# Altium PCB DIO-BNC.PCBDOC (part 1 of 3) (continued)
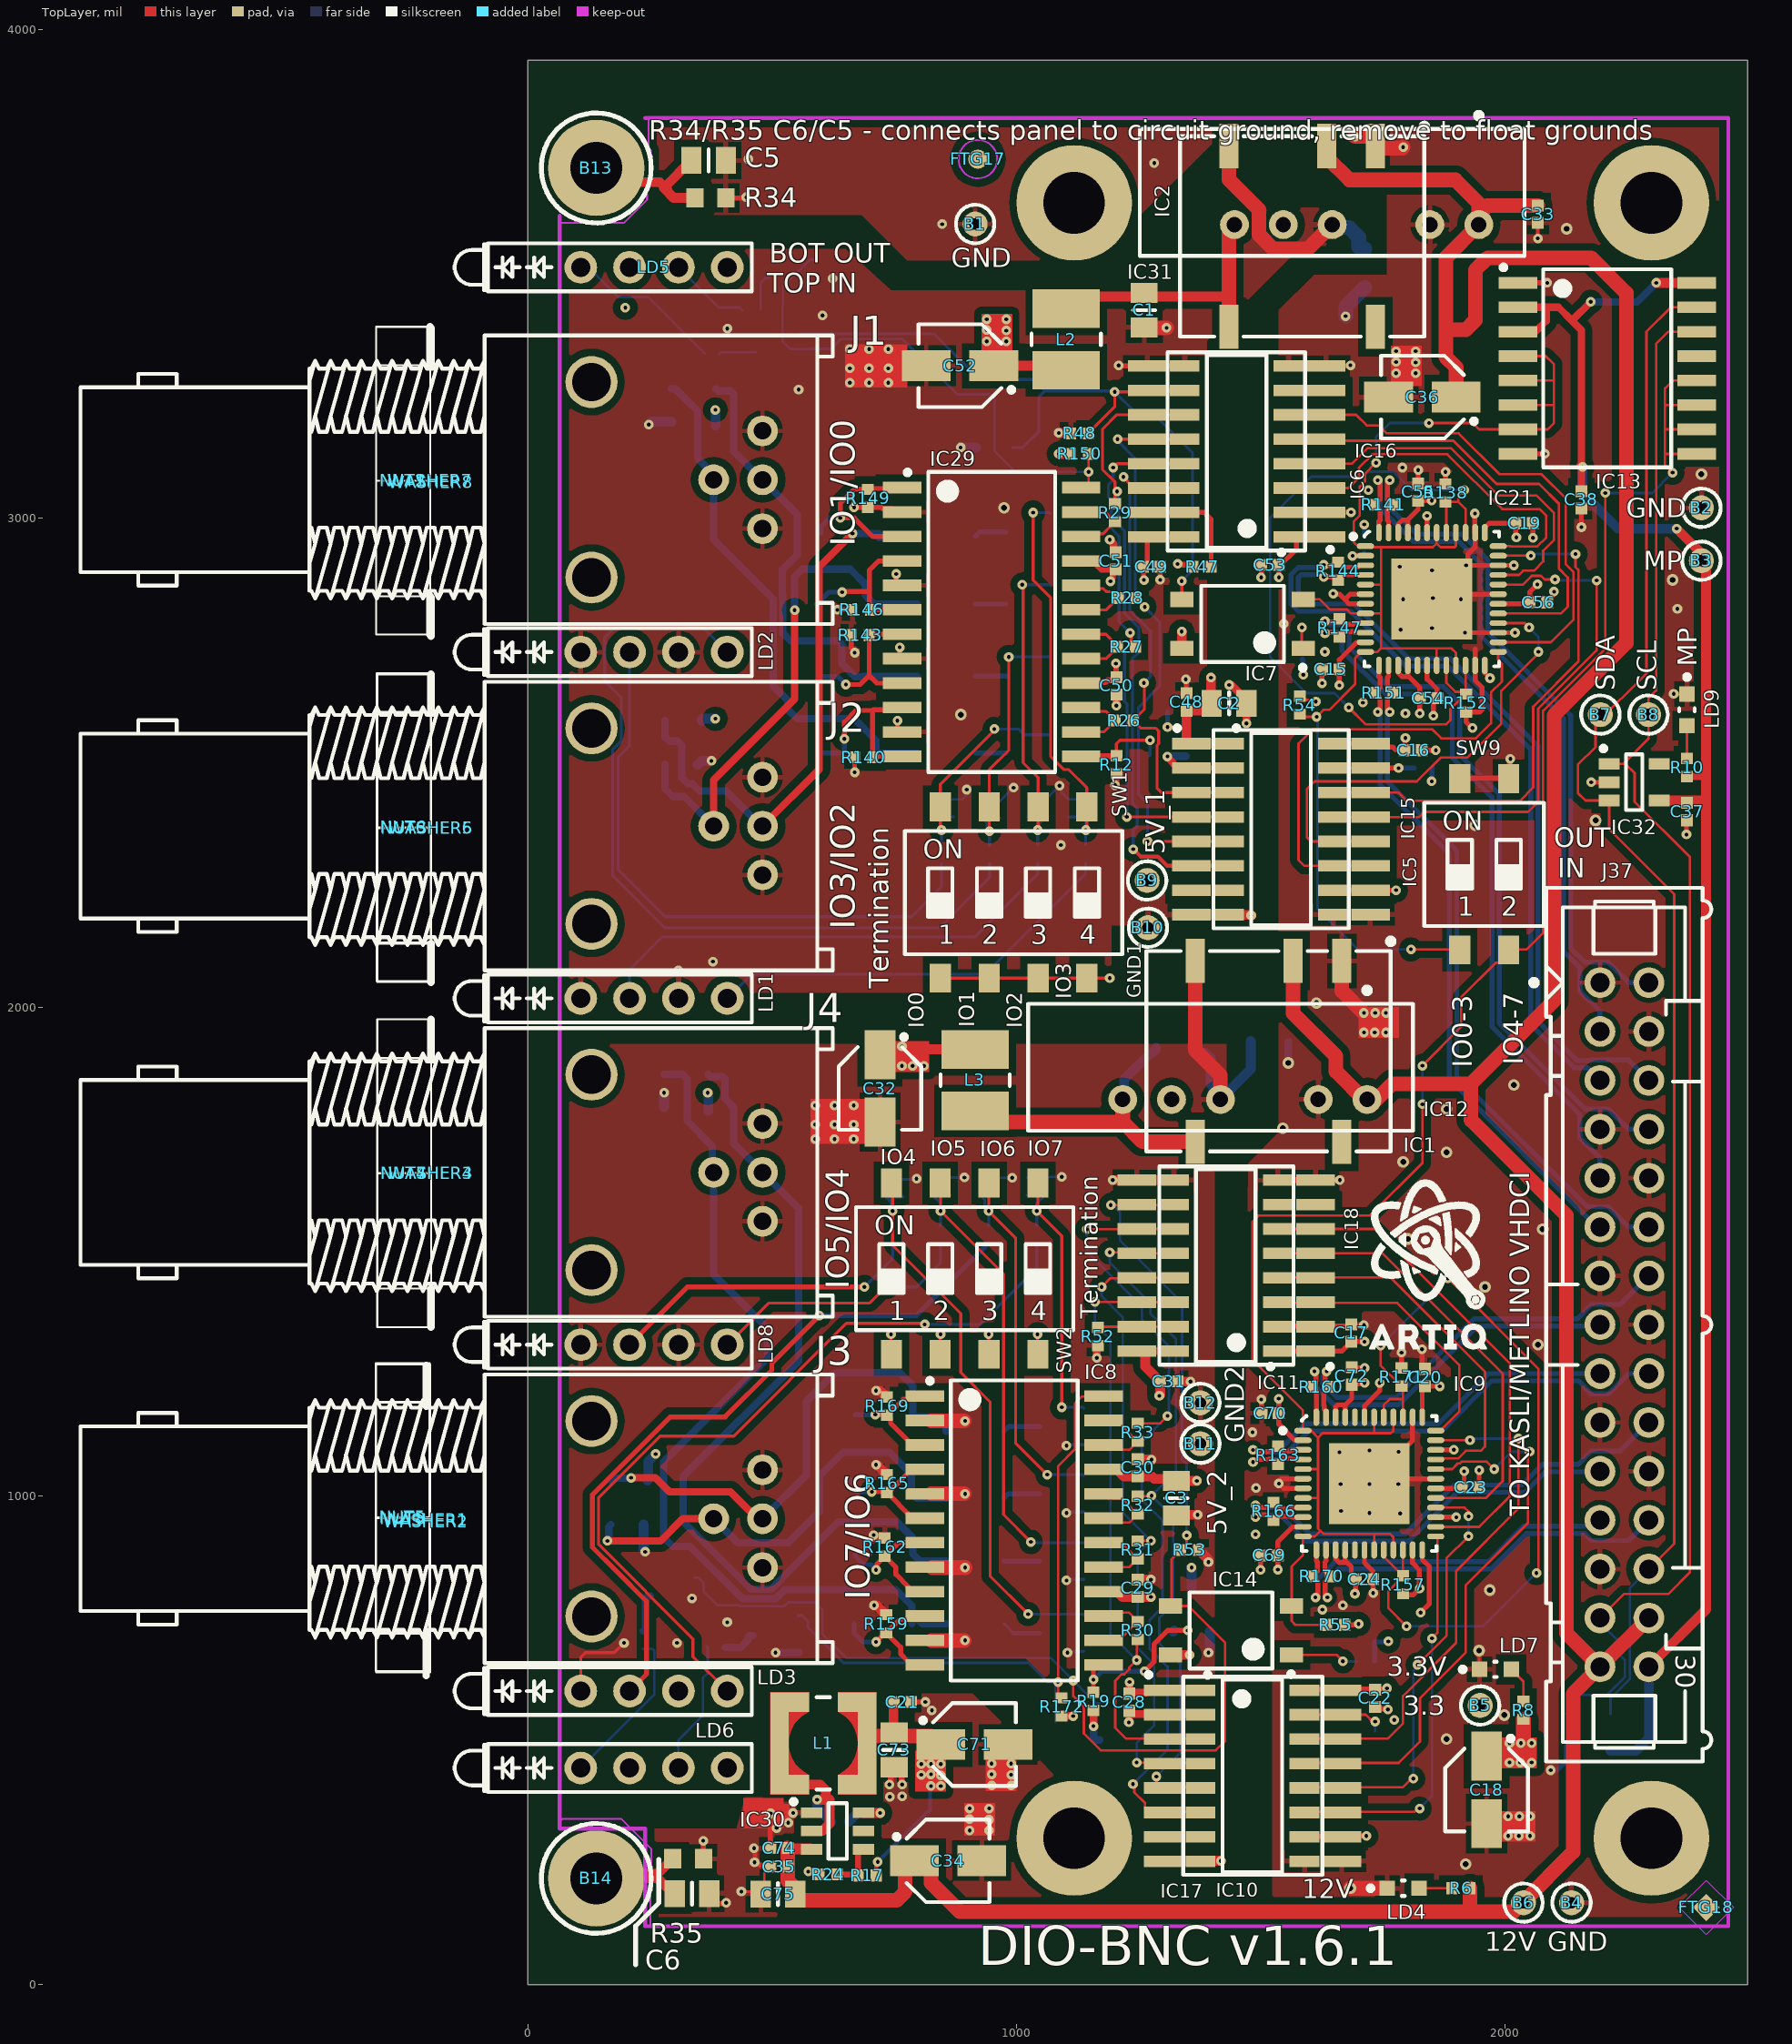
[diagram p0: TopLayer view]
## Board outline
0,0 2496.06,0 2496.06,3937 0,3937

## Design rules (kind name [scope] priority, off if disabled: settings)
AcuteAngle [All] p1: minimum=6.00000000000000E+0001 checktracksonly=FALSE
Clearance Clearance_DIFF [(InDifferentialPairClass('All Differential Pairs'))] p1: gap=5 ignorepadtopadclearanceinfootprint=FALSE except(0: Arc-Hole Track-Hole SMDPad-Hole THPad-Hole Via-Hole Fill-Hole Poly-Hole Region-Hole Text-Hole; 10: Arc-Poly Track-Poly SMDPad-Poly THPad-Poly Via-Poly Fill-Poly Poly-Poly Poly-Region Poly-Text)
Clearance [All] p2: gap=5 ignorepadtopadclearanceinfootprint=FALSE except(0: Arc-Hole Track-Hole SMDPad-Hole THPad-Hole Via-Hole Fill-Hole Poly-Hole Region-Hole Text-Hole; 15: Arc-Poly Track-Poly SMDPad-Poly THPad-Poly Via-Poly Fill-Poly Poly-Poly)
ComponentClearance [All] p1 off: gap=10 collisioncheckmode=3 verticalgap=10 showdistances=FALSE
DiffPairsRouting [All] p1: maxlimit=10 minlimit=5 mostfreqgap=5 toplayer_minwidth=5 toplayer_maxwidth=15 toplayer_prefwidth=10 bottomlayer_minwidth=5 bottomlayer_maxwidth=15 bottomlayer_prefwidth=10 maxuncoupledlength=500
FabricationTestPointUsage TestPointUsage [All] p1: valid=0 allowmultiple=FALSE
FabricationTestpoint Testpoint [All] p1: side=3 testpointundercomponent=TRUE minsize=40 maxsize=100 preferedsize=60 minholesize=20 maxholesize=40 preferedholesize=32 testpointgrid=1 allowsidetop=TRUE allowsidebottom=TRUE usegrid=TRUE gridtolerance=0.01
Height [All] p1 off: minheight=0 maxheight=1000 prefheight=500
HoleSize [All] p1: absolutevalues=TRUE maxlimit=150 minlimit=1 maxpercent=80.000 minpercent=20.000
HoleToHoleClearance [All] p1: gap=1 allowstackedmicrovias=TRUE
MinimumAnnularRing [All] p1: minimumring=3.94
MinimumSolderMaskSliver [All] p1: minsoldermaskwidth=0.39
PlaneClearance [All] p1: clearance=10
PlaneConnect [All] p1: planeconnectstyle=Direct reliefexpansion=20 reliefentries=4 reliefconductorwidth=10 reliefairgap=10
PolygonConnect PolygonConnect_pad [(InPadClass('All Pads'))] p1: connectstyle=Relief reliefconductorwidth=10 reliefentries=4 polygonreliefangle="90 Angle" airgapwidth=10
PolygonConnect [All] p2: connectstyle=Direct reliefconductorwidth=10 reliefentries=4 polygonreliefangle="45 Angle" airgapwidth=10
RoomDefinition U_DIO-BNC_Supply [InComponentClass('U_DIO-BNC_Supply')] p1: confinementstyle=ConfineIn formatcopy=TRUE lockcomponents=FALSE outline -4000,-6000 -2000,-6000 -2000,-5000 -4000,-5000
RoomDefinition U_DIO-BNC_CH0-3 [InComponentClass('U_DIO-BNC_CH0-3')] p2: confinementstyle=ConfineIn formatcopy=TRUE lockcomponents=FALSE outline -4000,-6000 -2000,-6000 -2000,-5000 -4000,-5000
RoomDefinition DIO-BNC [InComponentClass('DIO-BNC')] p3 off: confinementstyle=ConfineIn formatcopy=TRUE lockcomponents=FALSE outline -4000,-6000 -2000,-6000 -2000,-5000 -4000,-5000
RoomDefinition U_DIO-BNC_CH4-7 [InComponentClass('U_DIO-BNC_CH4-7')] p4 off: confinementstyle=ConfineIn formatcopy=TRUE lockcomponents=FALSE outline -960,-90 2512,-90 2512,4002 -960,4002
RoutingVias [All] p1: holewidth=7.87 width=19.68 viastyle="Through Hole" minholewidth=7.87 minwidth=19.68 maxholewidth=28 maxwidth=50
SilkToSilkClearance [All] p1: silktosilkclearance=0.39
SilkToSolderMaskClearance SilkscreenOverComponentPads [IsPad] p1: minsilkscreentomaskgap=0.39 clearancetoexposedcopper=TRUE
SolderMaskExpansion [All] p1: expansion=0.59 istentingtop=FALSE
Width [All] p1: maxlimit=50 minlimit=5 preferedwidth=5
18 further rules are at their usual default settings.

## Classes and differential pairs
component class U_DIO-BNC_CH0-3: C7 C8 C9 C10 D1 D3 IC3 IC5 IC6 IC7 IC15 IC16 IC21 IC29 J1 J2 LD1 LD2 LD5 R1 R2 R3 R4 R12 R13 R14 R15 R16 R26 R27 R28 R29 R36 R37 R38 R39 R44 R45 R46 R47 R48 R49 R54 R138 R139 R140 R141 R142 R143 R144 R145 R146 R147 R148 R149 R150 R151 R152 SW1 T1 T2 T3 T4 T9 T10 T27
component class DIO-BNC: B1 B2 B3 B4 B5 B6 B7 B8 B13 B14 C5 C6 C37 C38 D2 IC13 IC32 J37 R34 R35 SW9
component class U_DIO-BNC_Supply: B9 B10 B11 B12 C1 C2 C3 C4 C14 C15 C16 C17 C18 C19 C20 C21 C22 C23 C24 C26 C28 C29 C30 C31 C32 C33 C34 C35 C36 C48 C49 C50 C51 C52 C53 C54 C55 C56 C69 C70 C71 C72 C73 C74 C75 FTG17 FTG18 FTG19 FTG20 IC1 IC2 IC12 IC30 IC31 L1 L2 L3 LD4 LD7 LD9 NUT1 NUT2 NUT3 NUT4 NUT5 NUT6 NUT7 NUT8 R6 R8 R10 R17 R18 R24 R25 WASHER1 WASHER2 WASHER3 WASHER4 WASHER5 WASHER6 WASHER7 WASHER8
component class U_DIO-BNC_CH4-7: C11 C12 C13 C25 D4 D5 IC4 IC8 IC9 IC10 IC11 IC14 IC17 IC18 J3 J4 LD3 LD6 LD8 R5 R7 R9 R11 R19 R20 R21 R22 R23 R30 R31 R32 R33 R40 R41 R42 R43 R50 R51 R52 R53 R55 R56 R59 R157 R158 R159 R160 R161 R162 R163 R164 R165 R166 R168 R169 R170 R171 R172 SW2 T5 T6 T7 T8 T29 T30 T31
differential pair LVDS7: +LVDS7_P -LVDS7_N
differential pair LVDS0: +LVDS0_P -LVDS0_N
differential pair LVDS7: +LVDS6_P -LVDS6_N
differential pair LVDS6: +LVDS5_P -LVDS5_N
differential pair LVDS5: +LVDS4_P -LVDS4_N
differential pair LVDS4: +LVDS3_P -LVDS3_N
differential pair LVDS3: +LVDS2_P -LVDS2_N
differential pair LVDS2: +LVDS1_P -LVDS1_N

## Components (designator, comment, footprint, x,y, rotation, side; value= is the part's Value field where it differs from the comment)
B1 "Plated Hole" c130h60 915.35,3602.36 r0 top
B2 "Plated Hole" c130h60 2401.57,3021.65 r0 top
B3 "Plated Hole" c130h60 2401.57,2913.39 r0 top
B4 "Plated Hole" c130h60 2135.83,167.32 r0 top
B5 "Plated Hole" c130h60 1948.82,570.87 r0 top
B6 "Plated Hole" c130h60 2037.4,167.32 r0 top
B7 "Plated Hole" c130h60 2194.88,2598.43 r0 top
B8 "Plated Hole" c130h60 2293.31,2598.43 r0 top
B9 "Plated Hole" c130h60 1267.42,2259 r180 top
B10 "Plated Hole" c130h60 1269,2162.32 r180 top
B11 "Plated Hole" c130h60 1376.4,1106.58 r0 top
B12 "Plated Hole" c130h60 1376.4,1190.19 r0 top
B13 "Plated Hole" MTG270_500 140,3717 r0 top locked
B14 "Plated Hole" MTG270_500 140,217 r0 top locked
C1 "22uF" CAPC2012X135N 1261.42,3426 r90 top
C2 "22uF" CAPC2012X135N 1435,2621.65 r180 top
C3 "22uF" CAPC2012X135N 1327.35,995 r90 top
C4 "22uF" CAPC2012X135N 1324.51,1924.38 r180 bottom
C5 "Undefined" CAPC2012X135N 370.17,3732.48 r0 top
C6 "Undefined" CAPC2012X135N 335.91,186.09 r0 top
C7 "100nF" CAPC1005X55N 1144.09,2407.08 r270 bottom
C8 "100nF" CAPC1005X55N 1059.91,2406.59 r270 bottom
C9 "100nF" CAPC1005X55N 966.6,2403.86 r270 bottom
C10 "100nF" CAPC1005X55N 871.77,2406.87 r270 bottom
C11 "100nF" CAPC1005X55N 1059.04,1633.57 r270 bottom
C12 "100nF" CAPC1005X55N 962.83,1633 r270 bottom
C13 "100nF" CAPC1005X55N 864.41,1633 r270 bottom
C14 "100nF" CAPC1005X55N 1711.44,2946 r270 bottom
C15 "100nF" CAPC1005X55N 1643,2691 r0 top
C16 "100nF" CAPC1005X55N 1811.91,2525.59 r180 top
C17 "100nF" CAPC1005X55N 1685,1333.01 r270 top
C18 "10uF" CAPAE430X540N 1962,398 r270 top
C19 "100nF" CAPC1005X55N 2039,2990 r180 top
C20 "100nF" CAPC1005X55N 1836,1242 r270 top
C21 "100nF" CAPC1005X55N 766.28,578 r180 top
C22 "100nF" CAPC1005X55N 1734,585.53 r90 top
C23 "100nF" CAPC1005X55N 1929,1017 r180 top
C24 "100nF" CAPC1005X55N 1712,829 r180 top
C25 "100nF" CAPC1005X55N 767.94,1629.85 r270 bottom
C26 "100nF" CAPC1005X55N 638,333 r180 bottom
C28 "100nF" CAPC1005X55N 1230.57,577.53 r90 top
C29 "100nF" CAPC1005X55N 1248.03,810.84 r270 top
C30 "100nF" CAPC1005X55N 1248.09,1057.53 r270 top
C31 "100nF" CAPC1005X55N 1311.79,1233.9 r180 top
C32 "10uF" CAPAE430X540N 720.58,1833.41 r270 top
C33 "100nF" CAPC1005X55N 2066.93,3622.05 r90 top
C34 "10uF" CAPAE430X540N 860,253 r0 top
C35 "100nF" CAPC1005X55N 514,241 r0 top
C36 "10uF" CAPAE430X540N 1830.71,3248.03 r180 top
C37 "100nF" CAPC1005X55N 2372,2400 r90 top
C38 "100nF" CAPC1005X55N 2156,3038 r90 top
C48 "100nF" CAPC1005X55N 1347.9,2624.28 r270 top
C49 "100nF" CAPC1005X55N 1276.36,2900.89 r180 top
C50 "100nF" CAPC1005X55N 1204.5,2657.48 r90 top
C51 "100nF" CAPC1005X55N 1203.33,2912.89 r270 top
C52 "10uF" CAPAE430X540N 884.26,3312.32 r180 top
C53 "100nF" CAPC1005X55N 1518.88,2904.6 r0 top
C54 "100nF" CAPC1005X55N 1843,2632 r180 top
C55 "100nF" CAPC1005X55N 1822,3054 r270 top
C56 "100nF" CAPC1005X55N 2068,2828 r180 top
C69 "100nF" CAPC1005X55N 1517,878 r0 top
C70 "100nF" CAPC1005X55N 1519,1169 r0 top
C71 "10uF" CAPAE430X540N 914,491 r0 top
C72 "100nF" CAPC1005X55N 1686,1245 r270 top
C73 "22uF" CAPC2012X135N 749.69,480 r90 top
C74 "100nF" CAPC1005X55N 514,279 r0 top
C75 "22uF" CAPC2012X135N 512,185 r0 top
D1 "PRTR5V0U2X" SOT190P230X110-4N 339.26,3227.67 r0 bottom
D2 "PRTR5V0U2X" SOT190P230X110-4N 2170.28,515.97 r0 bottom
D3 "PRTR5V0U2X" SOT190P230X110-4N 318.08,2541.14 r90 bottom
D4 "PRTR5V0U2X" SOT190P230X110-4N 324.19,1824.71 r0 bottom
D5 "PRTR5V0U2X" SOT190P230X110-4N 207.42,986.2 r90 bottom
FTG17 "Use only in PCB" FIDUCIAL_TOP_C100-200 921,3735 r90 top
FTG18 "Use only in PCB" FIDUCIAL_TOP_S100-200 2411.42,157.48 r90 top
FTG19 "Use only in PCB" FIDUCIAL_TOP_S200-400 207,1666 r180 bottom
FTG20 "Use only in PCB" FIDUCIAL_TOP_S100-200 2342.52,2726.38 r90 bottom
IC1 "NXE2S1205MC" DCDC_MURATA_NXE2 1515.75,1909.45 r180 top
IC2 "NXE2S1205MC" DCDC_MURATA_NXE2 1584.65,3576.83 r180 top
IC3 "MCP810T-315I/TT" SOT95P237X112-3N 1309.06,2559.06 r90 bottom
IC4 "MCP810T-315I/TT" SOT95P237X112-3N 1358.27,767.72 r90 bottom
IC5 "MAX14434FAWE+" SOIC127P1030X265-16N 1541.3,2364 r0 top
IC6 "SI8650BB-B-IS1" SOIC127P600X175-16N 1450.49,3137 r180 top
IC7 "TLP183" TOSHIBA_11-4M1S 1462.6,2784 r180 top
IC8 "SN74BCT25245DW" SOIC127P1030X265-24N 995.36,929 r0 top locked
IC9 "SN65MLVD040RGZT" QFN50P700X700X100-49N-S420 1722,1025 r0 top
IC10 "SI8650BB-B-IS1" SOIC127P600X175-16N 1482.7,427 r0 top
IC11 "SI8650BB-B-IS1" SOIC127P600X175-16N 1428.3,1471 r180 top
IC12 "TMH1205S" DCDC_TRACO_TMA 1417.32,1811.02 r180 top
IC13 "PCF8574ADW" SOIC127P1030X265-16N 2209,3307 r0 top
IC14 "TLP183" TOSHIBA_11-4M1S 1439,724.39 r180 top
IC15 "SI8650BB-B-IS1" SOIC127P600X175-16N 1541.3,2364 r0 top
IC16 "MAX14434FAWE+" SOIC127P1030X265-16N 1450.49,3137 r180 top
IC17 "MAX14434FAWE+" SOIC127P1030X265-16N 1482.93,427 r0 top
IC18 "MAX14434FAWE+" SOIC127P1030X265-16N 1429.07,1471 r180 top
IC21 "SN65MLVD040RGZT" QFN50P700X700X100-49N-S420 1850,2835 r0 top
IC29 "SN74BCT25245DW" SOIC127P1030X265-24N 949.36,2787.89 r0 top
IC30 "AP62201WU-7" SOT95P280X100-6N 634,314 r0 top
IC31 "TMH1205S" DCDC_TRACO_TMA 1646,3601 r180 top
IC32 "24AA02E48T-I/OT" SOT95P280X145-5N 2264,2460 r0 top
J1 "BNC" RENHOTEC_RHT-610-0049 236.22,3078.98 r180 top locked
J2 "BNC" RENHOTEC_RHT-610-0049 236.22,2370.32 r180 top locked
J3 "BNC" RENHOTEC_RHT-610-0049 236.22,953 r180 top locked
J4 "BNC" RENHOTEC_RHT-610-0049 236.22,1661.66 r180 top locked
J37 "" 3M_N2530-6002RB 2244,1350 r270 top
L1 "3.3uH" IND_WURTH_WE-TPC_4828 604.81,493.38 r0 top
L2 "10uH" IND_MURATA-PS_8400 1101.89,3366.14 r90 top
L3 "10uH" IND_MURATA-PS_8400 915.35,1850.39 r270 top
LD1 "Green/Green" LED_DIALIGHT_571-0122F 108.27,2017.72 r0 top
LD2 "Green/Green" LED_DIALIGHT_571-0122F 108.27,2726.38 r0 top
LD3 "Green/Green" LED_DIALIGHT_571-0122F 108.27,600.39 r0 top
LD4 "Green" LED_KINGBRIGHT_KPH-1608CGCK 1791.34,196.85 r0 top
LD5 "Red/Green" LED_DIALIGHT_571-0112F 108.27,3513.78 r0 top locked
LD6 "Red/Green" LED_DIALIGHT_571-0112F 108.27,442.91 r0 top
LD7 "Green" LED_KINGBRIGHT_KPH-1608CGCK 1980.08,644.76 r0 top
LD8 "Green/Green" LED_DIALIGHT_571-0122F 108.27,1309.06 r0 top
LD9 "Green" LED_KINGBRIGHT_KPH-1608CGCK 2372.05,2608.27 r270 top
NUT1 "BNC Nut" TE_1-329631-2 -255,3077 r0 top
NUT2 "BNC Nut" TE_1-329631-2 -255,3077 r0 top
NUT3 "BNC Nut" TE_1-329631-2 -253,2366 r0 top
NUT4 "BNC Nut" TE_1-329631-2 -253,1660 r0 top
NUT5 "BNC Nut" TE_1-329631-2 -256,956 r0 top
NUT6 "BNC Nut" TE_1-329631-2 -254,2368 r0 top
NUT7 "BNC Nut" TE_1-329631-2 -253,1660 r0 top
NUT8 "BNC Nut" TE_1-329631-2 -255,954 r0 top
R1 "510" RESC1005X40N 846.46,2312.99 r270 bottom
R2 "510" RESC1005X40N 944.88,2312.99 r270 bottom
R3 "510" RESC1005X40N 1043.31,2312.99 r270 bottom
R4 "510" RESC1005X40N 1141.73,2312.99 r270 bottom
R5 "510" RESC1005X40N 746.3,1535.43 r270 bottom
R6 "10k" RESC1005X40N 1909.45,196.85 r0 top
R7 "510" RESC1005X40N 844.72,1535.43 r270 bottom
R8 "510" RESC1005X40N 2037.4,561.02 r90 top
R9 "510" RESC1005X40N 943.15,1535.43 r270 bottom
R10 "510" RESC1005X40N 2372.05,2490.16 r90 top
R11 "510" RESC1005X40N 1041.57,1535.43 r270 bottom
R12 "Undefined" RESC1005X40N 1204.5,2496 r90 top
R13 "30R" RESC3225X70N 653,2519.68 r180 bottom
R14 "30R" RESC3225X70N 656,2676 r180 bottom
R15 "30R" RESC3225X70N 650,2824 r180 bottom
R16 "30R" RESC3225X70N 659,2969 r180 bottom
R17 "31k6" RESC1005X35N 694.5,223 r0 top
R18 "100k" RESC2012X60N 1713.02,3512.15 r270 bottom
R19 "Undefined" RESC1005X40N 1157.5,579.53 r90 top
R20 "30R" RESC3225X70N 727,738 r180 bottom
R21 "30R" RESC3225X70N 729,881 r180 bottom
R22 "30R" RESC3225X70N 726,1014 r180 bottom
R23 "30R" RESC3225X70N 729,1166 r180 bottom
R24 "10k" RESC1005X40N 614.5,225 r0 top
R25 "100k" RESC2012X60N 1518.81,1930.41 r0 bottom
R26 "22" RESC1005X40N 1220.47,2586.17 r0 top
R27 "22" RESC1005X40N 1225,2737 r0 top
R28 "22" RESC1005X40N 1226.52,2837 r0 top
R29 "22" RESC1005X40N 1201.64,3011.59 r90 top
R30 "22" RESC1005X40N 1248.07,724.39 r270 top
R31 "22" RESC1005X40N 1248.03,889.17 r90 top
R32 "22" RESC1005X40N 1248.07,980.84 r90 top
R33 "22" RESC1005X40N 1248.07,1129.84 r90 top
R34 "0" RESC1608X55N 374,3655.7 r180 top
R35 "0" RESC1608X55N 328.03,257.28 r180 top
R36 "10k" RESC1005X40N 1107.09,2407.37 r270 bottom
R37 "10k" RESC1005X40N 1023.62,2407.08 r270 bottom
R38 "10k" RESC1005X40N 930.32,2404.09 r270 bottom
R39 "10k" RESC1005X40N 835.09,2406.37 r270 bottom
R40 "0" RESC1005X40N 1754,514 r0 bottom
R41 "10k" RESC1005X40N 925.83,1633.28 r270 bottom
R42 "10k" RESC1005X40N 828.41,1632.72 r270 bottom
R43 "10k" RESC1005X40N 731.94,1630.13 r270 bottom
R44 "510" RESC1005X40N 380.5,3337 r180 bottom
R45 "510" RESC1005X40N 460,3428 r0 bottom
R46 "0" RESC1005X40N 1832.61,2489 r0 bottom
R47 "0" RESC1005X40N 1379.92,2901 r0 top
R48 "10k" RESC1005X40N 1129.14,3174 r0 top
R49 "510" RESC1005X40N 1585,2730 r270 bottom
R50 "510" RESC1005X40N 385.5,690 r0 bottom
R51 "510" RESC1005X40N 236,705 r90 bottom
R52 "0" RESC1005X40N 1166.51,1325.95 r270 top
R53 "10k" RESC1005X40N 1354.5,889.17 r180 top
R54 "10k" RESC1005X40N 1579.65,2617.89 r90 top
R55 "10k" RESC1005X40N 1653.1,735.81 r0 top
R56 "10k" RESC1005X40N 1022.04,1633.28 r270 bottom
R59 "510" RESC1005X40N 1714.28,660.93 r0 bottom
R138 "100" RESC1005X40N 1878,3052 r90 top
R139 "49R9" RESC3225X70N 856.3,2519.68 r180 bottom
R140 "10k" RESC1005X40N 687.36,2510.89 r0 top
R141 "100" RESC1005X40N 1751,3028 r180 top
R142 "49R9" RESC3225X70N 856.3,2677.17 r180 bottom
R143 "10k" RESC1005X40N 680.06,2761.01 r0 top
R144 "100" RESC1005X40N 1658,2892 r270 top
R145 "49R9" RESC3225X70N 856.3,2824.8 r180 bottom
R146 "10k" RESC1005X40N 682.72,2812.89 r0 top
R147 "100" RESC1005X40N 1661,2776 r270 top
R148 "49R9" RESC3225X70N 856.3,2962.6 r180 bottom
R149 "10k" RESC1005X40N 696,3041 r90 top
R150 "10k" RESC1005X40N 1129.14,3132 r180 top
R151 "100" RESC1005X40N 1752,2643 r0 top
R152 "10k" RESC1005X40N 1920,2622 r270 top
R157 "100" RESC1005X40N 1791,818 r270 top
R158 "49R9" RESC3225X70N 915.35,738.19 r180 bottom
R159 "10k" RESC1005X40N 733.5,738 r270 top
R160 "100" RESC1005X40N 1623,1223 r180 top
R161 "49R9" RESC3225X70N 915.35,866.14 r180 bottom
R162 "10k" RESC1005X40N 730.5,894.93 r270 top
R163 "100" RESC1005X40N 1535,1083 r270 top
R164 "49R9" RESC3225X70N 915.35,995 r180 bottom
R165 "10k" RESC1005X40N 735,1025 r270 top
R166 "100" RESC1005X40N 1526,968 r270 top
R168 "49R9" RESC3225X70N 915.35,1131.89 r180 bottom
R169 "10k" RESC1005X40N 735,1183.54 r270 top
R170 "100" RESC1005X40N 1624,835 r0 top
R171 "10k" RESC1005X40N 1788,1243 r90 top
R172 "10k" RESC1005X40N 1092.52,567.81 r270 top
SW1 "Switch" SW_OMRON_A6S-4102-H 994.09,2234.25 r90 top
SW2 "Switch" SW_OMRON_A6S-4102-H 893.94,1464.69 r90 top
SW9 "Switch" SW_OMRON_A6S-2102-H 1957,2292 r90 top
T1 "BSS138LT1G" SOT95P240X110-3N 1023.62,2519.68 r180 bottom
T2 "BSS138LT1G" SOT95P240X110-3N 1023.62,2677.17 r180 bottom
T3 "BSS138LT1G" SOT95P240X110-3N 1023.62,2824.8 r180 bottom
T4 "BSS138LT1G" SOT95P240X110-3N 1023.62,2972.44 r180 bottom
T5 "BSS138LT1G" SOT95P240X110-3N 1092.52,718.5 r180 bottom
T6 "BSS138LT1G" SOT95P240X110-3N 1092.52,866.14 r180 bottom
T7 "BSS138LT1G" SOT95P240X110-3N 1092.52,1003.94 r180 bottom
T8 "BSS138LT1G" SOT95P240X110-3N 1092.52,1141.73 r180 bottom
T9 "BSS138LT1G" SOT95P240X110-3N 540,3492 r180 bottom
T10 "BSS138LT1G" SOT95P240X110-3N 511,3340 r180 bottom
T27 "BSS138LT1G" SOT95P240X110-3N 954.72,3190.27 r90 bottom
T29 "BSS138LT1G" SOT95P240X110-3N 1125.15,538.01 r180 bottom
T30 "BSS138LT1G" SOT95P240X110-3N 296,795 r180 bottom
T31 "BSS138LT1G" SOT95P240X110-3N 509.72,716.6 r180 bottom
WASHER1 "D15.8d12.75" TE_1-1634817-0 -208,951 r0 top
WASHER2 "D15.8d12.75" TE_1-1634817-0 -208,947 r0 top
WASHER3 "D15.8d12.75" TE_1-1634817-0 -197.88,1660 r0 top
WASHER4 "D15.8d12.75" TE_1-1634817-0 -197.88,1660 r0 top
WASHER5 "D15.8d12.75" TE_1-1634817-0 -197.88,2366 r0 top
WASHER6 "D15.8d12.75" TE_1-1634817-0 -197.88,2366 r0 top
WASHER7 "D15.8d12.75" TE_1-1634817-0 -199.88,3077 r0 top
WASHER8 "D15.8d12.75" TE_1-1634817-0 -198.58,3074 r0 top

## Footprints (in the part's own frame and the unit in brackets; to place one, negate y for a bottom-side part, rotate by r counter-clockwise, add the part's x,y. Pads: shape width x height; smd on the part's side, far side on the other; paste and mask are expansions set on the pad)
3M_N2530-6002RB [mm] "30 Contacts - Straight .100\" x .100\" Low Profile Four-Wall Header"
  round 1.6 hole 1: 1(-17.78,-1.27) 2(-17.78,1.27) 3(-15.24,-1.27) 4(-15.24,1.27) 5(-12.7,-1.27) 6(-12.7,1.27) 7(-10.16,-1.27) 8(-10.16,1.27) 9(-7.62,-1.27) 10(-7.62,1.27) 11(-5.08,-1.27) 12(-5.08,1.27) 13(-2.54,-1.27) 14(-2.54,1.27) 15(0,-1.27) 16(0,1.27) 17(2.54,-1.27) 18(2.54,1.27) 19(5.08,-1.27) 20(5.08,1.27) 21(7.62,-1.27) 22(7.62,1.27) 23(10.16,-1.27) 24(10.16,1.27) 25(12.7,-1.27) 26(12.7,1.27) 27(15.24,-1.27) 28(15.24,1.27) 29(17.78,-1.27) 30(17.78,1.27)
  silkscreen extent -22.71,-4.85 22.71,4.52, body extent -22.71,-4.11 22.71,4.52, height 9.91
c130h60 [mm] "Plated Through Hole: Hole Dia.=0.6mm Pad Dia.=1.30mm"
  round 1.3 hole 0.6: 1(0,0)
  silkscreen extent -1,-1 1,1
CAPAE430X540N [mm] "Capacitor, Aluminium Electrolytric, 4.3mm L X 4.3mm W X 5.4mm H, IPC Medium Density"
  rect 2.55x1.6 smd: 1(-1.75,0) 2(1.75,0)
  silkscreen extent -2.8,-2.15 2.15,2.15, body extent -2.75,-2.25 2.75,2.25, height 5.7
CAPC1005X55N [mm] "Capacitor, Non-Polarized, Chip; 1.00mm L X 0.50mm W X 0.70mm H, IPC Medium Density"
  rect 0.62x0.62 smd: 1(-0.45,0) 2(0.45,0)
  body extent -0.52,-0.27 0.53,0.28, height 0.55
CAPC2012X135N [mm] "Chip Capacitor, Body 2.0x1.25mm, IPC Medium Density"
  rect 1.05x1.4 smd: 1(-0.9,0) 2(0.9,0)
  silkscreen extent 0,-0.58 0,0.58, body extent -1.05,-0.67 1.05,0.68, height 1.25
DCDC_MURATA_NXE2 [mm] "NXE2 Series, Body 12.7 x 10.4, Height 4.4mm"
  rect 1x2.3 smd: 1(-3.81,-4.7) 3(-1.27,-4.7) 7(3.81,-4.7) 8(3.81,4.7) 14(-3.81,4.7)
  silkscreen extent -6.5,-5.86 6.35,5.21, body extent -6.35,-5.21 6.35,5.21, height 4.41
DCDC_TRACO_TMA [mm] "TMA Series , Body 19.5x6.1mm, SIP-6, Unregulated"
  round 1.5 hole 0.8: 1(-7.62,0) 2(-5.08,0) 4(0,0) 5(2.54,0) 6(5.08,0)
  silkscreen extent -10,-5.82 10,1.63, body extent -10,-4.97 10,1.73, height 10.45
FIDUCIAL_TOP_C100-200 [mm] "Round Fiducial Target, Top Layer, 1.0mm, Top Solder 2.0mm, Keepout =2.0mm"
  round 1 smd paste-0.51 mask+0.5: FTG2(0,0)
  TopLayer keep-out circle w0.1: c0,0 r1
FIDUCIAL_TOP_S100-200 [mm] "Square Fiducial Target, Top Layer, 1.0mm, Top Solder 2.0mm, Keepout =2.0mm"
  rect 1x1 smd rot 45 paste-0.51 mask+0.5: 1(0,0)
  TopLayer keep-out region: 1.414,0 0,-1.414 -1.414,0 0,1.414
FIDUCIAL_TOP_S200-400 [mm] "Square Fiducial Target, Top Layer, 2.0mm, Top Solder 4.0mm, Keepout =4.0mm"
  rect 2x2 smd rot 45 paste-0.9 mask+1: 1(0,0)
  TopLayer keep-out region: -2.839,0.011 -0.011,2.839 2.818,0.011 -0.011,-2.818
IND_MURATA-PS_8400 [mm] "Miniature Surface Mount Power Inductors, 4.5mm L X 3.3mm W X 2.9mm H, MURATA 8400 Series"
  rect 2x3.5 smd: 1(-1.6,0) 2(1.6,0)
  silkscreen extent -0.3,-1.8 0.3,1.8, body extent -2.4,-1.8 2.4,1.8, height 2.9
IND_WURTH_WE-TPC_4828 [mm] "Shielded Tiny Power Inductor, Body 4.8x4.8mm"
  rect 0.95x5.3 smd: 1(-2.275,0) 2(2.275,0)
  rect 1.05x1.014 smd: 1(-1.275,-2.143) 1(-1.275,2.143) 2(1.275,-2.143) 2(1.275,2.143)
  TopLayer region: 0.75,-2.65 2.75,-2.65 2.75,2.65 0.75,2.65 0.75,1.636 1.394,1.138 1.753,0.407 1.753,-0.407 1.394,-1.138 0.75,-1.636 0.75,-1.636
  TopLayer region: -2.75,-2.65 -0.75,-2.65 -0.75,-1.636 -1.394,-1.138 -1.753,-0.407 -1.753,0.407 -1.394,1.138 -0.75,1.636 -0.75,1.636 -0.75,2.65 -2.75,2.65
  TopLayer region: 2.75,-2.65 0.75,-2.65 0.75,-1.636 1.394,-1.138 1.753,-0.407 1.753,0.407 1.394,1.138 0.75,1.636 0.75,1.636 0.75,2.65 2.75,2.65
  silkscreen extent -0.35,-2.4 0.35,2.4, body extent -2.4,-2.4 2.4,2.4, height 2.8
LED_DIALIGHT_571-0112F [mm] "2x 2mm LED (Top: Red, Bot: Green) PCB Edge Mounting (Without positioning pins) DIALIGHT 571 Serie"
  round 1.7 hole 1: 1(0,0) 2(2.54,0) 3(5.08,0) 4(7.62,0)
  silkscreen extent -6.55,-1.24 8.89,1.24, body extent -6.55,-1.24 8.89,1.24, height 8.61
LED_DIALIGHT_571-0122F [mm] "2x 2mm LED (Top: Green, Bot: Green) PCB Edge Mounting (Without positioning pins) DIALIGHT 571 Serie"
  round 1.7 hole 1: 1(0,0) 2(2.54,0) 3(5.08,0) 4(7.62,0)
  silkscreen extent -6.55,-1.24 8.89,1.24, body extent -6.55,-1.24 8.89,1.24, height 8.61
LED_KINGBRIGHT_KPH-1608CGCK [mm] "SMT Green LED, Case 0603, Body L 1.6 x W 0.8mm H 0.65mm"
  rect 0.8x0.8 smd: 1(-0.825,0) 2(0.825,0)
  silkscreen extent -1.82,-0.4 0.08,0.4, body extent -0.8,-0.4 0.8,0.4, height 0.65
MTG270_500 [mm] "Plated Through Hole: Hole Dia.=2.7mm Pad Dia.=5.0mm"
  round 5 hole 2.7: 1(0,0)
QFN50P700X700X100-49N-S420 [mm] "QFN, 0.50mm Pitch, Square; 48 Pin, 7.00mm L X 7.00mm W X 1mm H body (W/Thermal Tab 4.2mm X 4.2mm), IPC Medium Density"
  oval 0.9x0.3 smd: 1(-3.45,2.75) 2(-3.45,2.25) 3(-3.45,1.75) 4(-3.45,1.25) 5(-3.45,0.75) 6(-3.45,0.25) 7(-3.45,-0.25) 8(-3.45,-0.75) 9(-3.45,-1.25) 10(-3.45,-1.75) 11(-3.45,-2.25) 12(-3.45,-2.75) 25(3.45,-2.75) 26(3.45,-2.25) 27(3.45,-1.75) 28(3.45,-1.25) 29(3.45,-0.75) 30(3.45,-0.25) 31(3.45,0.25) 32(3.45,0.75) 33(3.45,1.25) 34(3.45,1.75) 35(3.45,2.25) 36(3.45,2.75)
  oval 0.3x0.9 smd: 13(-2.75,-3.45) 14(-2.25,-3.45) 15(-1.75,-3.45) 16(-1.25,-3.45) 17(-0.75,-3.45) 18(-0.25,-3.45) 19(0.25,-3.45) 20(0.75,-3.45) 21(1.25,-3.45) 22(1.75,-3.45) 23(2.25,-3.45) 24(2.75,-3.45) 37(2.75,3.45) 38(2.25,3.45) 39(1.75,3.45) 40(1.25,3.45) 41(0.75,3.45) 42(0.25,3.45) 43(-0.25,3.45) 44(-0.75,3.45) 45(-1.25,3.45) 46(-1.75,3.45) 47(-2.25,3.45) 48(-2.75,3.45)
  rect 4.2x4.2 smd: 49(0,0)
  silkscreen extent -4.62,-3.5 3.5,3.5, body extent -3.5,-3.5 3.5,3.5, height 1
RENHOTEC_RHT-610-0049 [mm] "Dual Right Angle 50 Ohm BNC Jack, White Valox Case"
  round 1.6 hole 0.9: 1(-6.2,-2.54) 2(-6.2,0) 3(-6.2,2.54) 4(-3.66,0)
  round 2.7 hole 2: 6(2.69,-5.08) 7(2.69,5.08)
  silkscreen extent -9.85,-7.5 29.25,7.5, body extent -9.85,-7.5 29.25,7.5, height 29.3
RESC1005X35N [mm] "Chip Resistor, EIA 0402, Metric 1005, Body 1.0x0.5mm, IPC Medium Density"
  rect 0.58x0.62 smd: 1(-0.47,0) 2(0.47,0)
  body extent -0.52,-0.27 0.53,0.28, height 0.35
RESC1005X40N [mm] "Chip Resistor, EIA 0402, Metric 1005, Body 1.0x0.5mm, IPC Medium Density"
  rect 0.58x0.62 smd: 1(-0.47,0) 2(0.47,0)
  body extent -0.52,-0.27 0.53,0.28, height 0.4
RESC1608X55N [mm] "Chip Resistor, EIA 0603, Metric 1608, Body 1.6x0.8mm, IPC Medium Density"
  rect 0.9x1 smd: 1(-0.8,0) 2(0.8,0)
  body extent -0.87,-0.47 0.88,0.48, height 0.55
RESC2012X60N [mm] "Chip Resistor, EIA 0805, Metric 2012, Body 2.0x1.2mm, IPC Medium Density"
  rect 0.95x1.4 smd: 1(-1,0) 2(1,0)
  silkscreen extent 0,-0.55 0,0.55, body extent -1.1,-0.67 1.1,0.68, height 0.6
RESC3225X70N [mm] "Chip Resistor, EIA 1210, Metric 3225, Body 3.2x2.5mm, IPC Medium Density"
  rect 1.15x2.7 smd: 1(-1.5,0) 2(1.5,0)
  silkscreen extent -0.55,-1.25 0.55,1.25, body extent -1.7,-1.35 1.7,1.35, height 0.7
SOIC127P600X175-16N [mm] "SOIC 16, Pitch 1.27mm - Body 4x10mm, IPC Medium Density"
  rect 1.55x0.6 smd: 1(-2.7,4.445) 2(-2.7,3.175) 3(-2.7,1.905) 4(-2.7,0.635) 5(-2.7,-0.635) 6(-2.7,-1.905) 7(-2.7,-3.175) 8(-2.7,-4.445) 9(2.7,-4.445) 10(2.7,-3.175) 11(2.7,-1.905) 12(2.7,-0.635) 13(2.7,0.635) 14(2.7,1.905) 15(2.7,3.175) 16(2.7,4.445)
  silkscreen extent -2.45,-5 1.55,5.37, body extent -3.1,-5 3.1,5, height 1.75
SOIC127P1030X265-16N [mm] "SOIC, 1.27mm Pitch; 16 Pin, 7.50mm W X 10.3mm L X 2.65mm H body, IPC Medium Density"
  rect 2x0.6 smd: 1(-4.65,4.445) 2(-4.65,3.175) 3(-4.65,1.905) 4(-4.65,0.635) 5(-4.65,-0.635) 6(-4.65,-1.905) 7(-4.65,-3.175) 8(-4.65,-4.445) 9(4.65,-4.445) 10(4.65,-3.175) 11(4.65,-1.905) 12(4.65,-0.635) 13(4.65,0.635) 14(4.65,1.905) 15(4.65,3.175) 16(4.65,4.445)
  silkscreen extent -5.52,-5.15 3.52,5.37, body extent -5.18,-5.25 5.18,5.25, height 1.68
SOIC127P1030X265-24N [mm] "SOIC 24, Pitch 1.27mm - Body 7.6x15.6mm, IPC Medium Density"